# Altium PCB 200330 PI-CANTROLLER R0.PcbDoc (part 2 of 2)
Units mil, origin at the board's own origin, x right, y up, seen from the top; angles counter-clockwise.
Board outline 3205.83 x 2221.58 mil, 2 copper layers (Top Layer, Bottom Layer); 58 components, 40 nets, 206 pads, 78 vias.
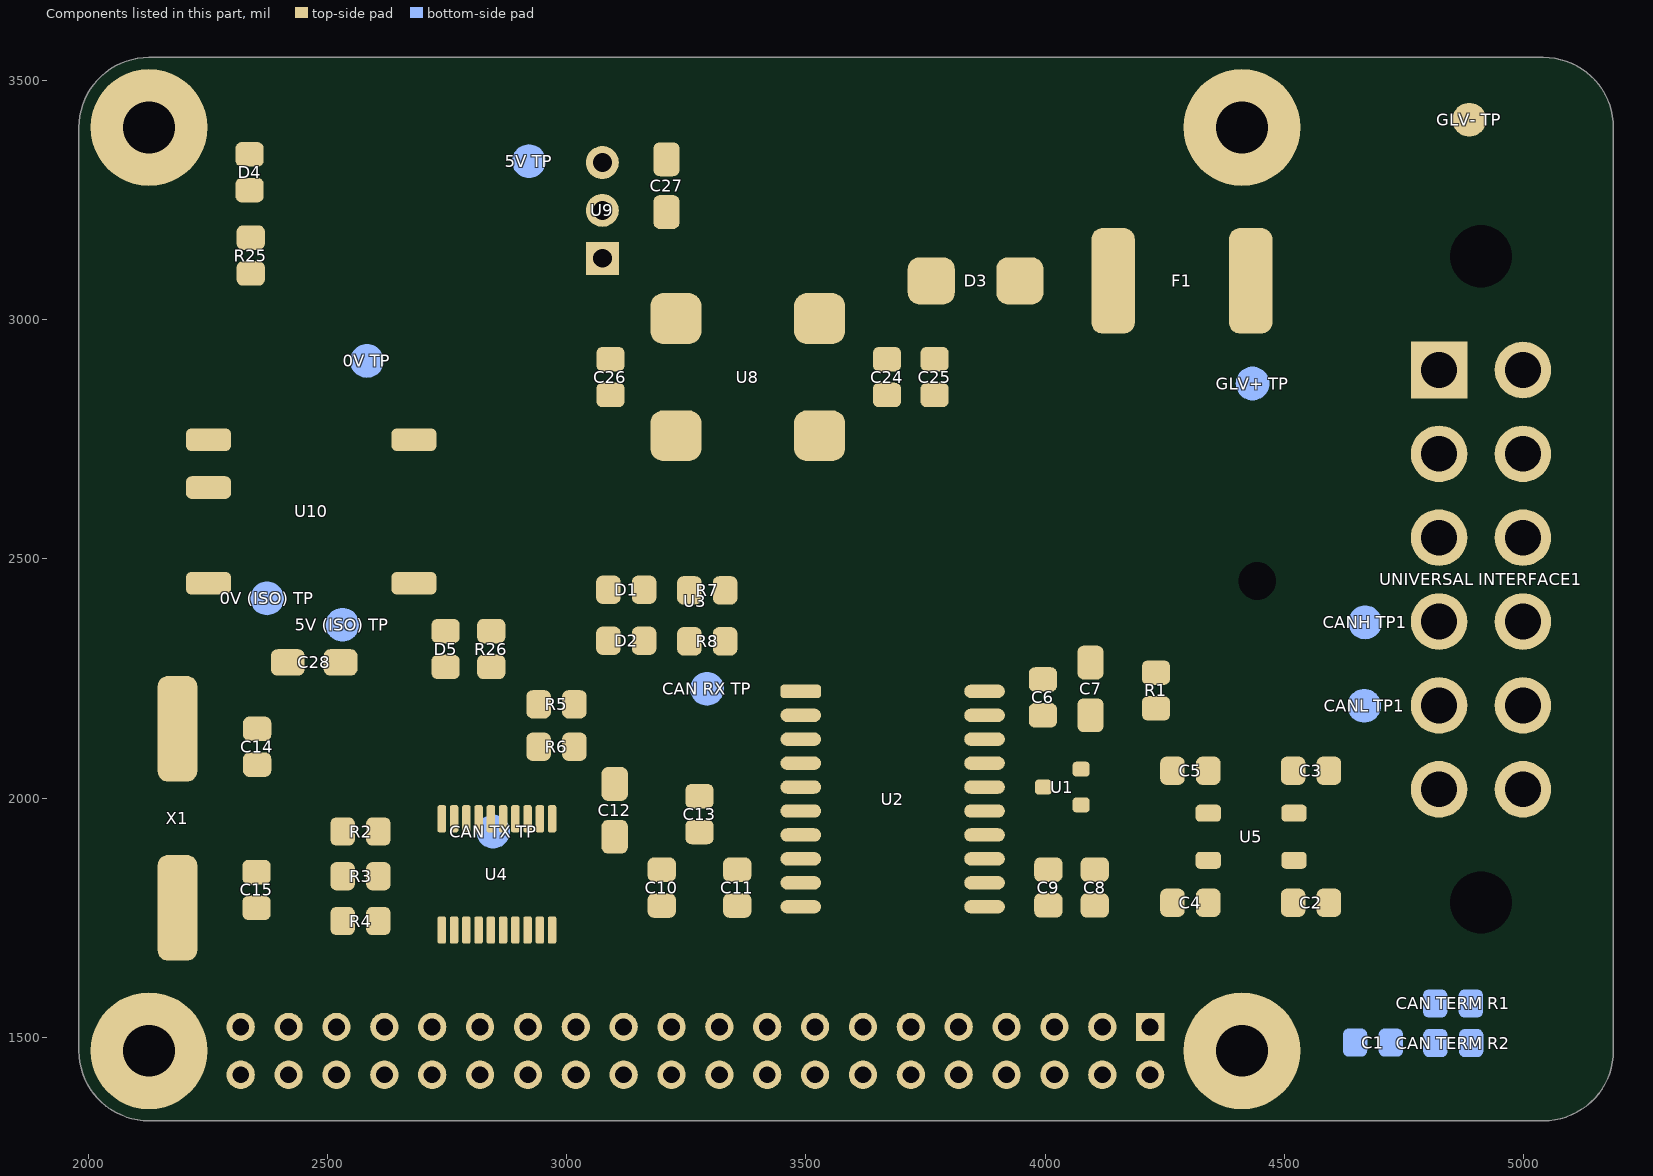
[diagram p2: the components of this part, seen from the top]

## Silkscreen, mask and mechanical layers (free items; w line width, h text height) (continued)
Drill Drawing:
  circle w10: c1084.88,5594.56 r33.33
  lines w10: 1051.54,4694.56 1084.88,4661.23 1118.21,4694.56 1084.88,4727.89 1051.54,4694.56 ; 1051.54,4827.89 1068.21,4827.89 1084.88,4811.23 1101.54,4827.89 1118.21,4827.89 1101.54,4844.56 1118.21,4861.23 1101.54,4861.23 1084.88,4877.89 1068.21,4861.23 1051.54,4861.23 1068.21,4844.56 1051.54,4827.89 ; 1051.54,4961.23 1084.88,4977.89 1118.21,4961.23 1101.54,4994.56 1118.21,5027.89 1084.88,5011.23 1051.54,5027.89 1068.21,4994.56 1051.54,4961.23 ; 1051.54,5177.89 1118.21,5177.89 1084.88,5111.23 1051.54,5177.89 ; 1051.54,5261.23 1118.21,5261.23 1118.21,5327.89 1051.54,5327.89 1051.54,5261.23 ; 1051.54,5427.89 1068.21,5427.89 1068.21,5411.23 1101.54,5411.23 1101.54,5427.89 1118.21,5427.89 1118.21,5461.23 1101.54,5461.23 1101.54,5477.89 1068.21,5477.89 1068.21,5461.23 1051.54,5461.23 1051.54,5427.89 ; 1051.54,5711.23 1051.54,5727.89 1068.21,5744.56 1051.54,5761.23 1051.54,5777.89 1068.21,5777.89 1084.88,5761.23 1101.54,5777.89 1118.21,5777.89 1118.21,5761.23 1101.54,5744.56 1118.21,5727.89 1118.21,5711.23 1101.54,5711.23 1084.88,5727.89 1068.21,5711.23 1051.54,5711.23
  lines w15: 991.75,4616.23 14260.02,4616.23 ; 991.75,5816.23 14260.02,5816.23 ; 1542.63,4466.23 1542.63,5966.23 ; 2132.47,4466.23 2132.47,5966.23 ; 3282.14,4466.23 3282.14,5966.23 ; 3788.01,4466.23 3788.01,5966.23 ; 4521.81,4466.23 4521.81,5966.23 ; 6021.36,4466.23 6021.36,5966.23 ; 6611.21,4466.23 6611.21,5966.23 ; 7357.01,4466.23 7357.01,5966.23 ; 8136.79,4466.23 8136.79,5966.23 ; 8990.56,4466.23 8990.56,5966.23 ; 10324.17,4466.23 10324.17,5966.23 ; 11657.77,4466.23 11657.77,5966.23 ; 12857.42,4466.23 12857.42,5966.23 ; 991.75,4466.23 14260.02,4466.23 14260.02,5966.23 991.75,5966.23 991.75,4466.23
  text "Symbol" at 1081.75,5861.23 h72
  text "Count" at 1587.63,5861.23 h72
  text "Hole Size" at 2177.47,5861.23 h72
  text "Plated" at 3327.14,5861.23 h72
  text "Hole Type" at 3833.01,5861.23 h72
  text "Drill Layer Pair" at 4566.81,5861.23 h72
  text "Via/Pad" at 6066.36,5861.23 h72
  text "Pad Shape" at 6656.21,5861.23 h72
  text "Template" at 7402.01,5861.23 h72
  text "Description" at 8181.79,5861.23 h72
  text "Hole Tolerance (+)" at 9035.56,5861.23 h72
  text "Hole Tolerance (-)" at 10369.17,5861.23 h72
  text "Hole Length" at 11702.77,5861.23 h72
  text "Routed Path Length" at 12902.42,5861.23 h72
  text "1" at 1587.63,5711.23 h60
  text "78.74mil (2.000mm)" at 2177.47,5711.23 h60
  text "NPTH" at 3327.14,5711.23 h60
  text "Slot" at 3833.01,5711.23 h60
  text "Top Layer - Bottom Layer" at 4566.81,5711.23 h60
  text "Pad" at 6066.36,5711.23 h60
  text "Rounded" at 6656.21,5711.23 h60
  text "c0hn200_1651" at 7402.01,5711.23 h60
  text "650.00mil (16.510mm)" at 11702.77,5711.23 h60
  text "571.26mil (14.510mm)" at 12902.42,5711.23 h60
  text "1" at 1587.63,5561.23 h60
  text "108.27mil (2.750mm)" at 2177.47,5561.23 h60
  text "PTH" at 3327.14,5561.23 h60
  text "Round" at 3833.01,5561.23 h60
  text "Top Layer - Bottom Layer" at 4566.81,5561.23 h60
  text "Pad" at 6066.36,5561.23 h60
  text "Rounded" at 6656.21,5561.23 h60
  text "c620h275" at 7402.01,5561.23 h60
  text "-" at 11702.77,5561.23 h60
  text "-" at 12902.42,5561.23 h60
  text "2" at 1587.63,5411.23 h60
  text "129.92mil (3.300mm)" at 2177.47,5411.23 h60
  text "NPTH" at 3327.14,5411.23 h60
  text "Round" at 3833.01,5411.23 h60
  text "Top Layer - Bottom Layer" at 4566.81,5411.23 h60
  text "Pad" at 6066.36,5411.23 h60
  text "Rounded" at 6656.21,5411.23 h60
  text "c300hn330" at 7402.01,5411.23 h60
  text "-" at 11702.77,5411.23 h60
  text "-" at 12902.42,5411.23 h60
  text "3" at 1587.63,5261.23 h60
  text "39.37mil (1.000mm)" at 2177.47,5261.23 h60
  text "PTH" at 3327.14,5261.23 h60
  text "Round" at 3833.01,5261.23 h60
  text "Top Layer - Bottom Layer" at 4566.81,5261.23 h60
  text "Pad" at 6066.36,5261.23 h60
  text "(Mixed)" at 6656.21,5261.23 h60
  text "(Mixed)" at 7402.01,5261.23 h60
  text "-" at 11702.77,5261.23 h60
  text "-" at 12902.42,5261.23 h60
  text "3" at 1587.63,5111.23 h60
  text "108.27mil (2.750mm)" at 2177.47,5111.23 h60
  text "NPTH" at 3327.14,5111.23 h60
  text "Round" at 3833.01,5111.23 h60
  text "Top Layer - Bottom Layer" at 4566.81,5111.23 h60
  text "Pad" at 6066.36,5111.23 h60
  text "Rounded" at 6656.21,5111.23 h60
  text "c620hn275" at 7402.01,5111.23 h60
  text "-" at 11702.77,5111.23 h60
  text "-" at 12902.42,5111.23 h60
  text "12" at 1587.63,4961.23 h60
  text "74.80mil (1.900mm)" at 2177.47,4961.23 h60
  text "PTH" at 3327.14,4961.23 h60
  text "Round" at 3833.01,4961.23 h60
  text "Top Layer - Bottom Layer" at 4566.81,4961.23 h60
  text "Pad" at 6066.36,4961.23 h60
  text "(Mixed)" at 6656.21,4961.23 h60
  text "(Mixed)" at 7402.01,4961.23 h60
  text "-" at 11702.77,4961.23 h60
  text "-" at 12902.42,4961.23 h60
  text "40" at 1587.63,4811.23 h60
  text "35.43mil (0.900mm)" at 2177.47,4811.23 h60
  text "PTH" at 3327.14,4811.23 h60
  text "Round" at 3833.01,4811.23 h60
  text "Top Layer - Bottom Layer" at 4566.81,4811.23 h60
  text "Pad" at 6066.36,4811.23 h60
  text "(Mixed)" at 6656.21,4811.23 h60
  text "(Mixed)" at 7402.01,4811.23 h60
  text "-" at 11702.77,4811.23 h60
  text "-" at 12902.42,4811.23 h60
  text "78" at 1587.63,4661.23 h60
  text "9.84mil (0.250mm)" at 2177.47,4661.23 h60
  text "PTH" at 3327.14,4661.23 h60
  text "Round" at 3833.01,4661.23 h60
  text "Top Layer - Bottom Layer" at 4566.81,4661.23 h60
  text "Via" at 6066.36,4661.23 h60
  text "Rounded" at 6656.21,4661.23 h60
  text "v55h25m0mx0" at 7402.01,4661.23 h60
  text "-" at 11702.77,4661.23 h60
  text "-" at 12902.42,4661.23 h60
  text "140 Total" at 1587.63,4511.23 h60
  text "Slot definitions :" at 1081.75,4366.25 h60
  text "Routed Path Length" at 2114.44,4366.25 h60
  text "= Calculated from tool start centre position to tool end centre position." at 3217.11,4366.25 h60
  text "Hole Length" at 2114.44,4266.28 h60
  text "= Routed Path Length + Tool Size = Slot length as defined in the PCB layout" at 2807.24,4266.28 h60
  text "FABRICATION NOTES" at 6369.46,3864.06 h118.11
  text "1. QUANTITY: 5" at 6369.46,3663.42 h118.11
  text "2. SIZE:" at 6369.46,3462.77 h118.11
  text "3. LAYERS: 2" at 6369.46,3262.12 h118.11
  text "4. SIGNAL LAYERS: 1,2" at 6369.46,3100.83 h118.11
  text "a) WEIGHT: 1oz" at 6566.31,2860.83 h118.11
  text "5. SOLDER MASKS: Blue" at 6369.46,2660.47 h118.11
  text "6. SILKSCREEN: White" at 6369.46,2459.82 h118.11
  text "7. SURFACE FINISH: HASL (With Lead)" at 6369.46,2259.18 h118.11
  text "8 FINISHED COPPER: 1oz Cu" at 6369.46,2058.53 h118.11
  text "9. TOTAL THICKNESS: 1.6mm" at 6369.46,1857.88 h118.11
  text "N.B. PLEASE CHECK THAT CAMERA CUTOUT IS ROUTED" at 6310.04,1310.04 h118.11

## Dimensions
2127.34,3547.34 to 2127.34,1325.76 on Drill Drawing
1981.12,3401.12 to 5186.95,3401.12 on Drill Drawing

## Text inside footprints (layer, text, board x,y; h text height)
U3: Top Overlay "39" at 2358.27,1645.67 h50 r180; Top Overlay "40" at 2239.07,1441.98 h50 r180; Top Overlay "2" at 4319.07,1441.98 h50 r180; Top Overlay "1" at 4236.22,1653.54 h50 r180